# Altium PCB Bran_Main_Assay_PCB_v2.PcbDoc (part 13 of 15) (continued)
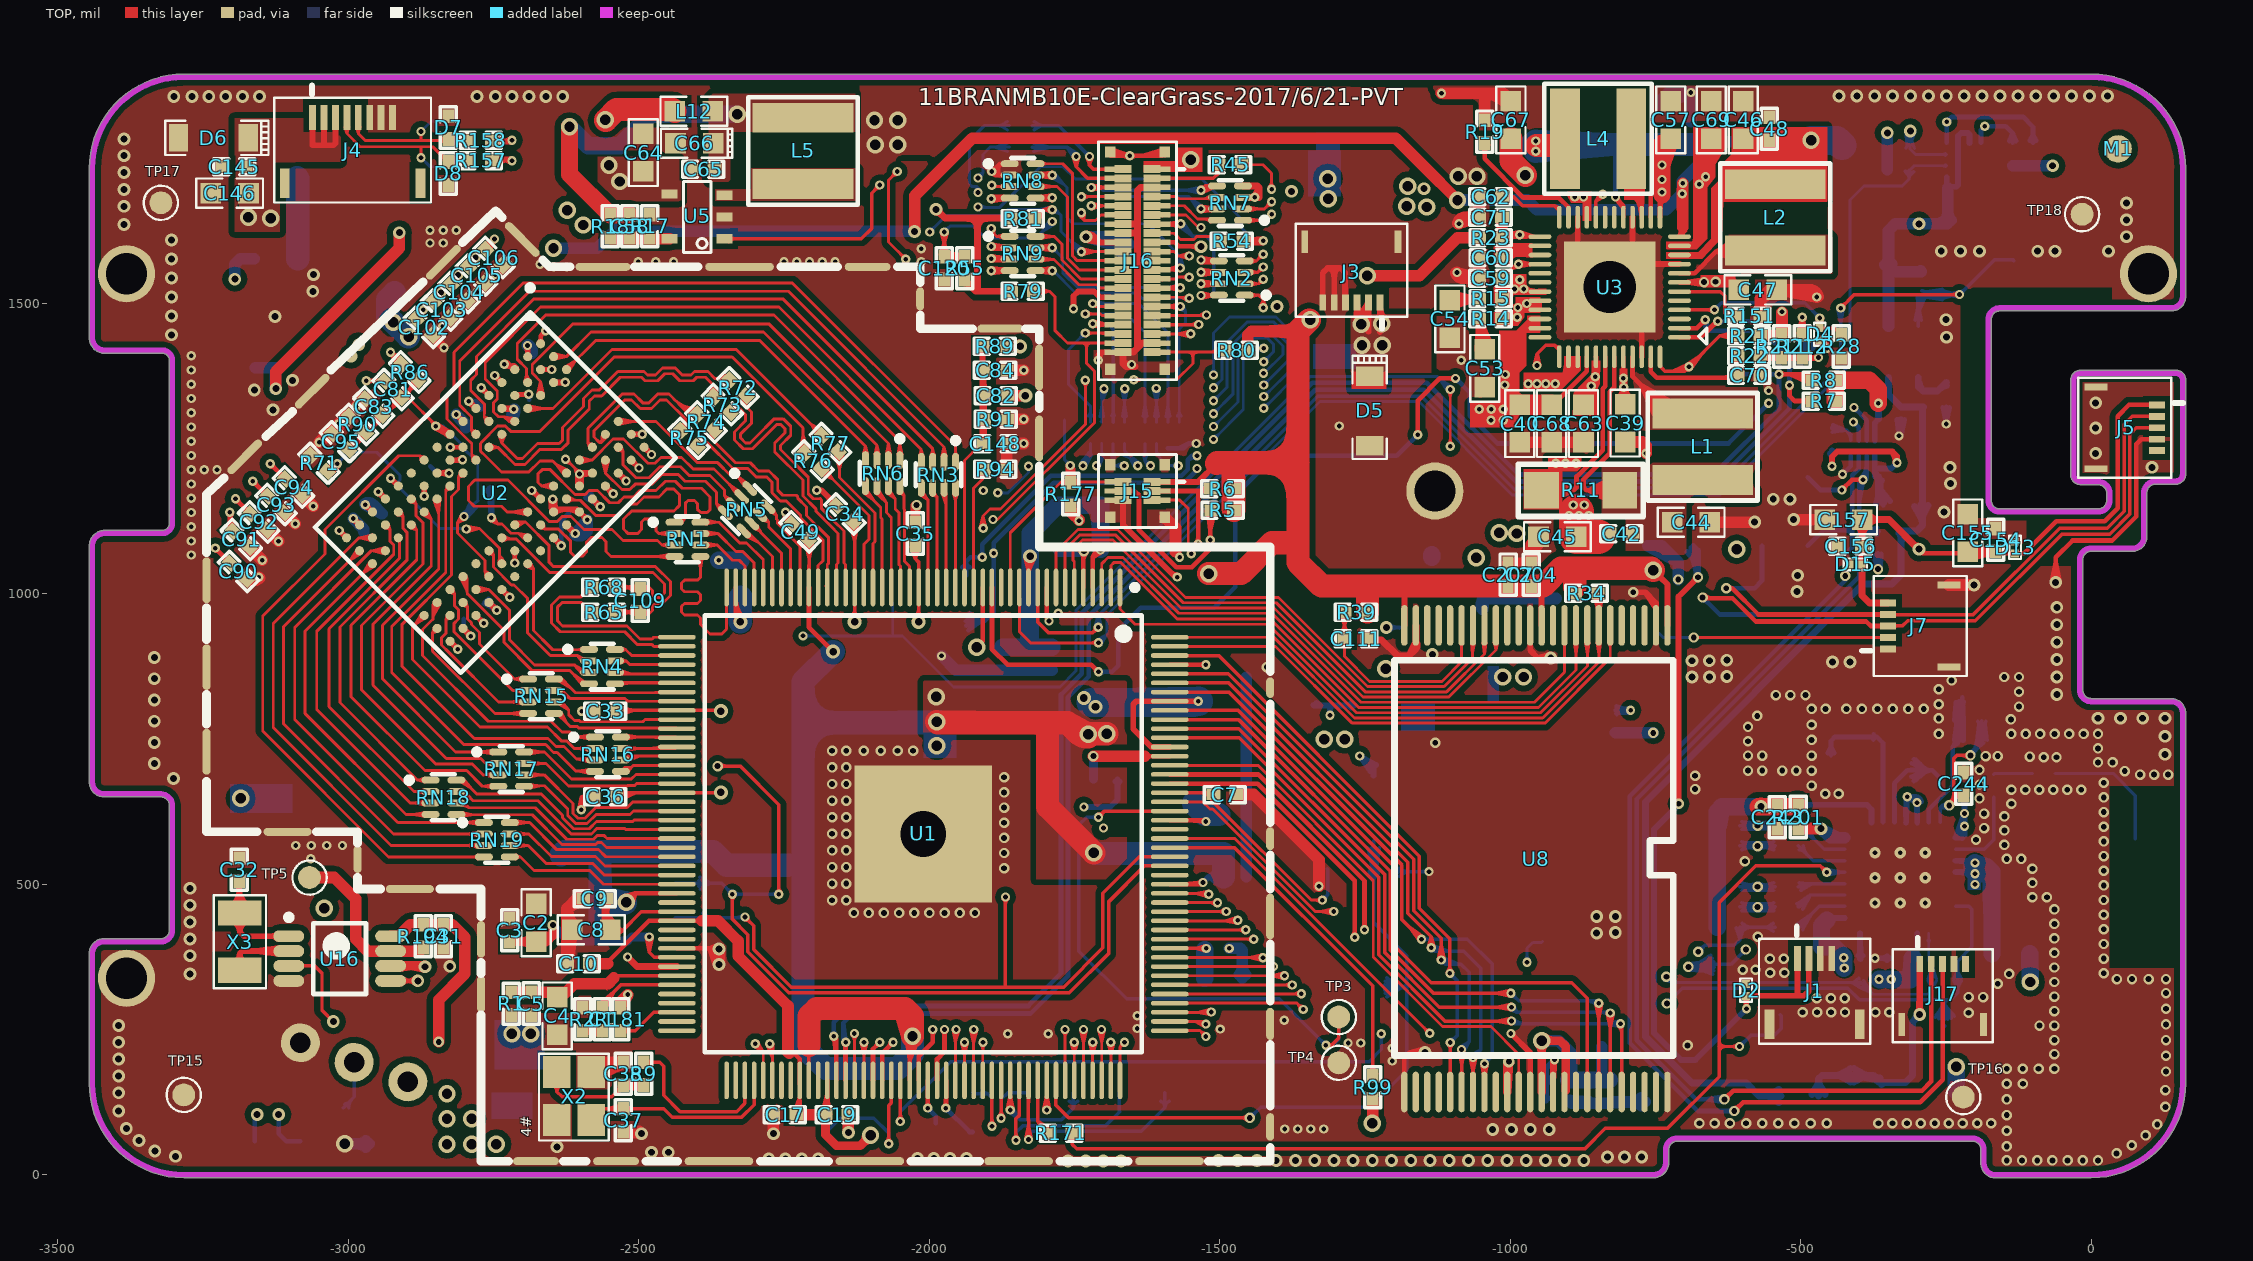
[diagram p0: TOP view]
## Nets (pads, with @x,y where several pads share a name; then routed paths per layer and width w, separated by ;. In a path a pad name is that pad's centre, name@x,y a point inside that pad or via, vN(x,y) a via of type N, cw(c..) or ccw(c..) an arc to the next point about the centre after c; other vN are vias at no path point) (continued)
  Singal w5: v1@-2721.84,1750.07 -2702.45,1761.74 ; v1(-2718.45,1745.74) -2702.45,1761.74 ; v1@-2718.45,1751.24 ccw(c-2718.45,1764.52) -2709.06,1755.13 ccw(c-2699.67,1745.74) v1@-2712.95,1745.74 ; v1@-2714.12,1742.35 -2702.45,1761.74 ; v1@-2304.85,227.6 -2299.19,235.67 ; v1@-2303.53,229.72 ccw(c-2312.92,239.11) -2299.65,239.11 ccw(c-2286.37,239.11) v1@-2295.76,229.72 ; v1@-2294.3,227.12 -2299.19,235.67 ; -2702.45,1761.74 -2523.45,1761.74 -2410.65,1648.94 -2410.65,952.83 -2299.65,841.83 v1(-2299.65,225.83) -2299.19,235.67
USB0-DP: R158.2 U1.94 | length 2572.3
  TOP w5: R158.2@-2752.76,1780.74 v1(-2718.45,1780.74) ; R158.2@-2749.71,1773.48 v1@-2725.95,1780.74 ; R158.2@-2749.71,1788 v1@-2725.95,1780.74 ; R158.2@-2749.07,1773.6 -2737.66,1780.14 ; R158.2@-2749.07,1787.88 -2737.66,1781.34 ; R158.2@-2748.42,1773.79 -2737.66,1781.34 ; R158.2@-2748.42,1787.69 -2737.66,1780.14 ; R158.2@-2745.6,1775.55 cw(c-2733.07,1763.01) -2733.07,1780.74 cw(c-2733.07,1798.47) R158.2@-2745.6,1785.93 ; v1@-2722.34,1776.85 ccw(c-2731.73,1767.46) -2731.73,1780.74 ccw(c-2731.73,1794.02) v1@-2722.34,1784.63 ; v1@-2720.23,1775.53 -2728.29,1781.19 ; v1@-2720.22,1785.95 -2728.29,1780.29 ; v1@-2720.18,1785.96 R158.2@-2742.14,1775.79 ; v1@-2719.74,1775.39 -2728.29,1780.29 ; v1@-2719.74,1786.09 -2728.29,1781.19 ; v1@-2717.94,1775.26 R158.2@-2742.14,1775.79 ; v1@-2279.92,224.28 -2270.27,201.18 ; v1@-2279.78,223.85 -2271.23,209.29 ; v1@-2278.53,221.94 cw(c-2298.49,201.98) -2270.27,201.98 ; v1@-2275,225.47 cw(c-2286.42,214.05) -2270.27,214.05 ; U1.94@-2270.27,162.71 -2270.27,221.45 v1(-2274.65,225.83) ; U1.94@-2270.27,191.26 -2270.27,210.19 ; v1@-2269.15,226.05 -2271.23,209.29 ; v1@-2269.16,226.19 -2270.27,201.18 ; R158.2@-2750.8,1780.74 v1@-2725.95,1780.74 ; R158.2@-2750.8,1780.74 -2737.66,1781.34 ; R158.2@-2750.8,1780.74 -2737.66,1780.14 ; R158.2@-2742.14,1775.79 v1(-2718.45,1780.74) ; -2728.29,1780.29 v1(-2718.45,1780.74) ; -2728.29,1781.19 v1(-2718.45,1780.74) ; v1(-2274.65,225.83) -2270.27,201.18 ; v1(-2274.65,225.83) -2271.23,209.29
  Singal w5: v1@-2718.45,1775.24 cw(c-2718.45,1761.96) -2709.06,1771.35 cw(c-2699.67,1780.74) v1@-2712.95,1780.74 ; v1(-2718.45,1780.74) -2708.45,1770.74 -2518.45,1770.74 -2401.65,1653.94 -2401.65,956.55 -2290.65,845.55 -2290.65,241.83 ; v1@-2280.15,225.83 ccw(c-2293.42,225.83) -2284.03,235.22 ccw(c-2274.65,244.61) v1@-2274.65,231.33 ; v1@-2278.98,222.44 -2290.65,241.83 ; v1@-2271.26,230.16 -2290.65,241.83 ; -2290.65,241.83 v1(-2274.65,225.83) -2290.65,241.83
USB0-IDET: R99.1 U1.153 | length 724.1
  TOP w6: U1.153@-1586.22,563.3 -1474.77,563.3 -1237.02,325.55 R99.1@-1237.02,170.52 ; U1.153@-1557.67,563.3 -1535.74,563.3 ; R99.1@-1243.67,174.09 -1237.58,184.73 ; R99.1@-1243.49,174.7 -1236.45,184.73 ; R99.1@-1241.85,177.33 ccw(c-1253.53,189.01) -1237.02,189.01 ccw(c-1220.5,189.01) R99.1@-1232.18,177.33 ; R99.1@-1230.54,174.7 -1237.58,184.73 ; R99.1@-1230.36,174.09 -1236.45,184.73 ; -1237.58,184.73 -1237.02,172.49 -1236.45,184.73
USBVBUS: C145.2 C146.2 D6.1 J4.1 J4.2 J4.3 R15.1 TP33.1 U3.31 | length 3395.3
  TOP w8: R15.1@-1012.36,1514.15 ccw(c-1012.36,1523.5) R15.1@-1005.75,1516.89 ; R15.1@-1007.8,1514.84 cw(c-992.94,1499.99) v1@-992.94,1520.99 ; R15.1@-1006.52,1508.31 cw(c-987.66,1508.31) -1001,1521.64 ; -1003.45,1518.18 v1(-992.94,1524.99) ; v1@-989.26,1523.43 cw(c-981.89,1520.3) v1@-981.89,1528.31 ; v1@-987.32,1527.36 v1(-976.94,1524.99) ; v1@-985.9,1527.23 v1(-976.94,1524.99) ; v1@-984.37,1526.01 v1(-992.94,1524.99) ; v1@-979.97,1522.38 ccw(c-992.94,1511.15) v1@-992.94,1528.31 ; v1@-974.12,1527.82 ccw(c-956.28,1545.66) U3.31@-956.28,1520.43 ; U3.31@-962.81,1521.29 v1(-976.94,1524.99) ; R15.1@-1012.36,1508.31 v1(-992.94,1524.99) ; R15.1@-1012.36,1508.31 v1(-992.94,1524.99) ; R15.1@-1012.36,1508.31 v1@-994.33,1528.31 ; R15.1@-1012.36,1508.31 v1@-998.38,1520.28 ; v1@-998.38,1520.28 -1007.91,1504.53 v1(-992.94,1524.99) ; v1@-998.38,1520.28 -1015.41,1513.29 v1(-992.94,1524.99) ; v1@-994.33,1528.31 v1@-992.94,1528.31 ; v1@-994.33,1528.31 -995.3,1527.34 R15.1@-1014.33,1508.31 v1(-992.94,1524.99) ; v1@-994.33,1528.31 v1(-976.94,1524.99) ; v1@-994.33,1528.31 -1007.62,1504.89 v1(-992.94,1524.99) ; v1@-994.33,1528.31 -1016.25,1512.67 v1(-992.94,1524.99) ; v1(-992.94,1524.99) v1(-976.94,1524.99) ; v1(-992.94,1524.99) v1@-981.89,1528.31 ; v1(-992.94,1524.99) v1(-976.94,1524.99) ; v1(-992.94,1524.99) v1(-976.94,1524.99) ; v1(-992.94,1524.99) v1@-981.89,1527.22 ; v1(-992.94,1524.99) v1@-975.1,1520.43 ; v1(-992.94,1524.99) v1@-981.89,1527.22 ; v1(-992.94,1524.99) v1@-981.89,1528.31 ; v1@-992.94,1528.31 v1@-981.89,1528.31 ; v1@-981.89,1527.22 -978.3,1523.63 v1@-975.1,1520.43 ; v1@-981.89,1527.22 v1@-981.89,1528.31 ; v1(-976.94,1524.99) -968.89,1523.81 U3.31@-964.84,1520.43 ; v1(-976.94,1524.99) U3.31@-964.84,1520.43 ; v1(-976.94,1524.99) U3.31@-964.84,1520.43 ; v1(-976.94,1524.99) U3.31@-949.09,1520.43 v1@-975.1,1520.43 ; v1@-975.1,1520.43 U3.31@-964.84,1520.43
  TOP w10: J4.1@-3061.73,1804.33 -3061.73,1772.46 ; J4.1@-3061.73,1820.08 -3061.73,1772.46 ; J4.2@-3042.05,1804.33 -3042.05,1774.14 J4.2@-3042.05,1820.08 ; J4.3@-3022.36,1804.33 -3022.36,1775.83 ; J4.3@-3022.36,1820.08 -3022.36,1775.83 ; -3061.73,1772.46 -3025.73,1772.46 -3022.36,1775.83
  Singal w60: v4@-3163.45,1651.74 -3133.45,1651.74 -3100.46,1651.74 -3048.46,1703.74 -2650.2,1703.74 ; v4(-2623.08,1660.56) -2650.2,1703.74 ; v4@-2591.46,1645 -2615.06,1668.59 -2650.2,1703.74
  POWER w60: -2393.3,1623.74 v4(-2595.46,1635) -2620.46,1659 -2595.96,1634.5 -2585.2,1623.74 -2090.72,1623.74 -1918.46,1796 -1361.47,1796 -1313.46,1747.99 -1313.46,1715 v4(-1313.46,1680)
  other v1: -983.94,1540.99
  other v4: -3133.45,1646.83 -3172.02,1648.31 -1313.98,1715
VCC-5V: C158.2 C159.1 C226.1 C228.1 D14.1 J6.1 R189.2 TP34.1 U15.5 | length 1744.1
  POWER w40: v4(-2718.46,243) -2717.46,242 v4@-2686.46,242 ; v4(-2686.46,243) -2660.96,268.5 -2387.96,268.5 -2246.46,410 -1831.29,410 -1766.02,475.28 -1766.02,646.56 -1724.75,687.83 -1644.46,687.83 -1584.3,747.99 -1320.3,747.99 -1285.3,747.99 v4@-1284.3,747.99
  other v4: -1320.3,749.99 -1285.3,749.99
VCC-WIFI-3V3: C174.1 C175.1 C176.1 C243.2 C246.1 C247.1 C250.1 R176.2 R179.1 R200.1 R201.1 R204.2 R205.2 R206.2 R207.2 R208.2 U7.1 U7.3 U7.4 U7.11 U7.17 U7.29 U7.30 | length 4680.7
  TOP w30: v3@-572.94,633.99 -568.5,633.99 -540.54,633.99 R201.1@-506.16,633.99 ; v3(-568.5,634.27) R201.1@-506.16,633.99 ; R201.1@-505.78,637 R201.1@-504.46,635.68 R201.1@-506.16,633.99
  BOTTOM w10: -455.46,438 -451.06,442.41 ; U7.17@-435.32,442.41 -451.06,442.41 ; U7.17@-424.49,442.41 -451.06,442.41 ; U7.29@-319.17,606.78 -318.45,607.5 v1@-318.45,650.74 ; U7.29@-318.45,612.74 v1(-317.02,650.83) ; -318.45,640.12 cw(c-306.31,640.12) v1@-314.89,648.71 ; v1@-316.15,647.96 cw(c-311.3,631.97) v1@-299.49,643.78 ; C246.1@-313.15,371.37 -314.78,373 -310.7,377.08 -299.49,388.29 ; -307.5,648.24 v1(-317.02,650.83) ; C246.1@-304.65,372.99 -299.49,388.29 ; -303.85,650.74 cw(c-303.85,639.76) v1@-293.27,642.7 ; v1@-303,641.12 ccw(c-314.91,642.28) -306.45,650.74 ; v1@-302.91,640.02 ccw(c-317.02,636.09) v1@-317.02,650.74 ; v1@-302.14,638.71 cw(c-308.53,632.31) -299.49,632.31 ; C246.1@-300.65,375.73 cw(c-292.51,381.31) -299.49,388.29 ; U7.11@-299.49,405.01 -299.49,388.29 ; U7.11@-299.49,415.83 -299.49,388.29 ; U7.1@-222.66,580.15 ccw(c-232.79,590.28) -218.46,590.28 ; C175.1@-221.89,648.92 cw(c-230.16,640.66) -218.46,640.66 cw(c-206.77,640.66) C175.1@-215.04,648.92 ; -218.95,586.57 U7.1@-222.72,580.2 ; -216.82,540.83 cw(c-216.82,520.47) v1@-202.42,534.87 ; -213.96,521.15 cw(c-213.96,504.83) v1@-202.42,516.37 ; -211.55,540.14 v1(-200.3,536.99) ; -209.73,520.59 v1(-200.3,518.49) ; v1@-203.17,536.13 cw(c-214.51,532.7) -206.14,524.33 ; v1@-203.07,529.64 v1(-200.3,518.49) ; v1@-203,517.19 ccw(c-209.31,514.14) -209.31,521.15 ; v1@-202.99,535.67 ccw(c-211.3,531.57) -211.3,540.83 ; v1@-202.75,520.22 ccw(c-211.14,526.15) v1@-203.88,533.41 ; v1@-201.8,539.59 cw(c-205.74,546.39) -211.3,540.83 ; -201.22,528.81 v1(-200.3,536.99) ; -195.48,525.02 cw(c-201.3,519.2) v1@-194.58,514.45 ; v1@-318.45,650.74 v1@-317.02,650.74 ; v1@-318.45,650.74 v1(-300.02,640.83) ; v1@-318.45,650.74 -319.17,617.61 v1(-317.02,650.83) ; v1@-317.02,650.74 -306.45,650.74 ; v1(-317.02,650.83) v1(-300.02,640.83) ; v1(-317.02,650.83) v1(-300.02,640.83) ; v1(-317.02,650.83) v1(-300.02,640.83) ; v1(-317.02,650.83) v1(-300.02,640.83) ; v1(-317.02,650.83) -306.45,650.74 ; v1(-317.02,650.83) -306.45,650.74 ; v1(-317.02,650.83) v1@-299.49,643.78 ; -306.45,650.74 v1(-300.02,640.83) ; -306.45,650.74 v1(-300.02,640.83) ; -306.45,650.74 v1(-300.02,640.83) ; -306.45,650.74 v1(-300.02,640.83) ; -306.45,650.74 v1@-299.49,643.78 ; v1(-300.02,640.83) -299.49,617.61 v1@-299.49,643.78 ; v1(-300.02,640.83) U7.30@-299.49,606.78 -299.49,640.83 v1@-299.49,643.78 ; U7.1@-233.54,580.2 v1(-218.3,599.99) ; U7.1@-233.54,580.2 v1@-218.46,621.99 ; U7.1@-233.54,580.2 -223.26,580.2 -218.3,585.17 ; U7.1@-222.72,580.2 -218.46,585.33 ; U7.1@-222.72,580.2 -218.3,585.17 ; U7.1@-222.72,580.2 -218.46,585.33 ; U7.1@-222.72,580.2 -218.3,585.17 ; -218.46,585.33 -218.46,599.99 v1@-218.46,621.99 ; -218.46,585.33 v1(-218.3,599.99) ; -218.46,585.33 v1(-218.3,599.99) ; -218.46,585.33 v1(-218.3,621.99) ; -218.46,585.33 -218.3,585.17 ; v1@-218.46,621.99 C175.1@-218.46,654.32 v1(-218.3,621.99) ; v1@-218.46,621.99 v1(-218.3,599.99) ; v1@-218.46,621.99 v1(-218.3,599.99) ; v1@-218.46,621.99 -218.46,652.35 v1(-218.3,621.99) ; v1(-218.3,599.99) -231.52,585.81 v1(-218.3,621.99) ; v1(-218.3,599.99) v1(-218.3,621.99) ; v1(-218.3,599.99) v1(-218.3,621.99) ; -211.3,540.83 v1@-203.88,533.41 ; -211.3,540.83 v1(-200.3,536.99) ; -211.3,540.83 v1(-200.3,536.99) ; -211.3,540.83 v1(-200.3,536.99) ; -211.3,540.83 v1(-200.3,536.99) ; -211.3,540.83 v1(-200.3,518.49) ; -211.3,540.83 -222.72,540.83 v1(-200.3,536.99) ; -211.3,540.83 U7.3@-233.54,540.83 v1(-200.3,536.99) ; -209.31,521.15 -206.14,524.33 ; -209.31,521.15 v1(-200.3,536.99) ; -209.31,521.15 v1(-200.3,518.49) ; -209.31,521.15 v1(-200.3,518.49) ; -209.31,521.15 v1(-200.3,518.49) ; -209.31,521.15 -222.72,521.15 v1(-200.3,518.49) ; -209.31,521.15 U7.4@-233.54,521.15 v1(-200.3,518.49) ; -206.14,524.33 v1@-200.46,530 ; v1@-203.88,533.41 v1@-200.46,530 ; v1@-200.46,530 v1(-200.3,518.49) ; v1@-200.46,530 v1(-200.3,518.49) ; v1(-200.3,518.49) v1(-200.3,536.99) ; v1(-200.3,518.49) v1(-200.3,536.99) ; v1(-200.3,518.49) v1(-200.3,536.99) ; v1(-200.3,518.49) v1(-200.3,536.99)
  BOTTOM w30: R207.2@-644.16,466.47 R206.2@-644.16,566.31 ; R206.2@-644.16,561.16 R207.2@-644.16,461.31 ; R205.2@-642.19,601.31 -635.91,633.56 ; R204.2@-538.59,636.17 -541.2,633.56 -568.5,633.56 -635.91,633.56 ; C250.1@-464.46,394.65 -464.46,429 ; C250.1@-464.46,395.87 cw(c-464.46,352.47) -433.78,383.16 ; -455.46,438 -464.46,429 ; v1@-426.31,355.99 v1(-426.3,373.99) -426.31,375.69 -443.3,392.68 ; C246.1@-308.58,372.99 -311.18,336 C246.1@-306.61,372.99 ; v1@-204.69,531.54 ccw(c-197.9,539.97) -196.74,529.21 ; v1@-201.06,525.73 ccw(c-208.54,539.41) v1@-193.58,535.02 ; -197.78,528.13 v1(-200.3,536.99) ; v1@-195.23,531.3 v1(-200.3,518.49) ; -195.21,529.24 v1(-200.3,518.49) ; R207.2@-644.16,461.31 R179.1@-644.15,496.31 ; R207.2@-644.16,461.31 R208.2@-644.16,426.31 R207.2@-644.16,461.31 ; R207.2@-644.16,461.31 R179.1@-644.15,496.31 ; R179.1@-644.15,496.31 R206.2@-644.16,566.31 ; R179.1@-644.15,496.31 R206.2@-644.16,566.31 ; R206.2@-644.16,566.31 R205.2@-644.16,601.31 ; R206.2@-644.16,566.31 R205.2@-644.16,601.31 ; R205.2@-644.16,601.31 -644.16,625.31 ; R205.2@-644.16,601.31 -644.16,625.31 ; -644.16,625.31 -635.91,633.56 ; C250.1@-464.46,392.68 -443.3,392.68 ; C250.1@-464.46,392.68 -464.46,429 ; C250.1@-464.46,392.68 -443.3,392.68 ; v1(-365.46,337) v1(-344.46,337) ; v1(-365.46,337) v1(-344.46,337) ; v1(-365.46,337) R200.1@-315.12,336 ; v1(-365.46,337) R200.1@-313.15,336 ; v1@-364.46,336 -344.46,336 R200.1@-313.15,336 ; v1@-364.46,336 v1(-344.46,337) ; v1@-364.46,336 v1(-344.46,337) ; v1@-364.46,336 R200.1@-315.12,336 ; v1(-344.46,337) R200.1@-315.12,336 ; v1(-344.46,337) R200.1@-313.15,336 ; v1(-344.46,337) R200.1@-315.12,336 ; v1(-344.46,337) R200.1@-313.15,336 ; R200.1@-313.15,336 R200.1@-306.61,342.54 ; R200.1@-306.61,342.54 C246.1@-306.61,372.99 ; R200.1@-306.61,342.54 C246.1@-306.61,372.99 ; v1@-200.46,530 -200.3,530 -179.46,530 ; v1@-200.46,530 v1(-200.3,518.49) ; v1@-200.46,530 v1(-200.3,518.49) ; v1@-200.46,530 C176.1@-174.12,517 ; v1(-200.3,518.49) v1(-200.3,536.99) ; v1(-200.3,518.49) v1(-200.3,536.99) ; v1(-200.3,518.49) v1(-200.3,536.99) ; v1(-200.3,518.49) v1(-200.3,536.99) ; v1(-200.3,518.49) v1(-200.3,536.99) ; v1(-200.3,518.49) v1(-200.3,536.99) ; v1(-200.3,518.49) C176.1@-174.12,517 ; v1(-200.3,518.49) -179.46,530 ; v1(-200.3,536.99) -179.46,530 ; v1(-200.3,536.99) C176.1@-174.12,517 ; v1(-200.3,536.99) -179.46,530 ; v1(-200.3,536.99) C176.1@-174.12,517 ; v1(-200.3,536.99) -179.46,530 ; v1(-200.3,536.99) C176.1@-174.12,517 ; v1(-200.3,536.99) -179.46,530 ; v1(-200.3,536.99) -205.25,523.44 cw(c-189.42,507.61) -189.42,530 v1(-200.3,536.99) ; v1(-200.3,536.99) -179.46,530 ; v1(-200.3,536.99) C176.1@-170.96,521.5 ; v1(-200.3,536.99) C176.1@-174.12,517 ; -179.46,530 C176.1@-174.12,517 ; -179.46,530 C176.1@-174.12,517 ; -179.46,530 C176.1@-170.96,521.5 ; C247.1@-172.15,482 C176.1@-172.15,517 ; C247.1@-172.15,482 C174.1@-170.96,437 ; C247.1@-172.15,482 C176.1@-172.15,517 ; C247.1@-172.15,482 C174.1@-170.96,437 ; C247.1@-172.15,482 C174.1@-170.96,437 ; C247.1@-172.15,482 C176.1@-170.96,521.5 ; C176.1@-172.15,517 C174.1@-170.96,437 ; C176.1@-172.15,517 C174.1@-170.96,437 ; C174.1@-170.96,437 -170.96,482 -170.96,517 C176.1@-170.96,521.5 ; C174.1@-170.96,437 R176.2@-170.96,381 C174.1@-170.96,437
  other v1: -425.3,355.99 -200.3,499.99
VCCA: C242.1 R195.1 R209.2 U20.1 | length 788.4
  TOP w10: v1(-446.46,1220) -446.46,1236 -437.46,1245 -342.46,1245 ; -337.57,1236.71 v1(-334.46,1226) ; v1@-337.38,1226.72 ccw(c-356.11,1231.35) -342.46,1245 ; -342.46,1245 v1(-334.46,1226) ; -342.46,1245 -334.46,1237 ; v1(-334.46,1226) -334.46,1237 ; v1(-334.46,1226) -334.46,1237
  BOTTOM w10: R209.2@-449.89,1241.92 cw(c-458.16,1233.66) -446.46,1233.66 cw(c-434.77,1233.66) R209.2@-443.04,1241.92 ; U20.1@-372.8,1231.32 -372.8,1216 ; U20.1@-372.8,1237.81 -372.8,1216 ; -371.11,1208.64 -368.12,1198 -372.8,1216 ; R195.1@-370.68,1154.35 -363.59,1180.87 ; -366.96,1177.3 ccw(c-340.66,1177.3) R195.1@-356.34,1156.18 ; -366.96,1184.34 cw(c-352.49,1184.34) C242.1@-362.73,1194.58 ; -366.47,1188.09 C242.1@-366.15,1198 R195.1@-366.96,1163 ; C242.1@-365.39,1202 cw(c-355.86,1216) -372.8,1216 ; -363.23,1187.33 -364.18,1198 -361.46,1176.65 ; -362.76,1181.5 cw(c-347.11,1185.69) C242.1@-360.25,1195.17 ; R195.1@-350.38,1164.21 cw(c-325.89,1197.18) C242.1@-366.96,1197.18 ; R195.1@-346.46,1159.42 -363.59,1180.87 ; v1(-446.46,1220) -446.46,1245.35 v1(-446.46,1220) ; v1(-446.46,1220) R209.2@-446.46,1247.31 v1(-446.46,1220) ; -372.8,1216 -344.46,1216 ; -372.8,1216 -372.8,1203.02 C242.1@-366.96,1197.18 ; R195.1@-366.96,1163 C242.1@-366.96,1197.18 ; R195.1@-366.96,1163 R195.1@-357.96,1154 -363.59,1180.87 ; -344.46,1216 v1(-334.46,1226) -344.46,1216
VINT: C60.1 U3.26 U3.27 | length 309.1
  TOP w6: C60.1@-1014.33,1578.31 -1009.21,1583.43 -989.02,1583.43 ; C60.1@-1012.86,1585.13 -989.02,1583.43 ; C60.1@-1012.25,1585.15 -998.02,1581.49 ; C60.1@-1011.68,1577.81 cw(c-1000.73,1569.93) -1000.73,1583.43 ; C60.1@-1009.96,1571.9 -989.02,1583.43 ; C60.1@-1009.36,1572.16 -998.02,1581.49 ; C60.1@-1006.81,1574.31 cw(c-989.02,1561.5) -989.02,1583.43 ; -986.78,1583.43 U3.27@-964.84,1583.43 ; U3.26@-964.84,1599.17 -983.15,1599.17 ; U3.27@-949.09,1583.43 -989.02,1583.43 ; U3.26@-949.09,1599.17 -983.15,1599.17 ; -998.02,1581.49 -1012.36,1578.31 -989.02,1583.43 ; -989.02,1583.43 -989.02,1593.31 -983.15,1599.17
VLED+: C116.2 D12.1 J16.18 TP25.1 | length 2159.9
  TOP w10: v3@-1732.07,1618.4 cw(c-1726.27,1605.3) -1716.14,1615.43 ; v3@-1731.98,1608.94 -1705.83,1605.12 ; v3@-1730.87,1608.75 -1717.81,1610.85 ; v3@-1728.02,1609.25 cw(c-1719.94,1591.01) -1705.83,1605.12 ; v3@-1727.64,1620.04 -1705.83,1605.12 ; v3@-1727.43,1619.92 -1717.81,1610.85 ; v3@-1726.21,1610.5 cw(c-1715.96,1600.25) -1715.96,1614.74 cw(c-1715.96,1629.23) v3@-1726.21,1618.98 ; J16.18@-1694.09,1605.12 -1705.83,1605.12 ; J16.18@-1666.73,1605.12 J16.18@-1689.96,1605.12 -1705.83,1605.12 ; v3(-1730.45,1614.74) -1717.81,1610.85 ; v3(-1730.45,1614.74) -1715.45,1614.74 ; v3(-1730.45,1614.74) -1705.83,1605.12 ; v3(-1730.45,1614.74) -1715.45,1614.74 ; -1715.45,1614.74 -1729.25,1608.86 -1715.45,1614.74 ; -1715.45,1614.74 -1729.25,1620.62 -1715.45,1614.74 ; -1715.45,1614.74 -1705.83,1605.12
  Singal w20: -1400.45,1423.7 v3(-1401.45,1494.74) -1400.45,1493.74 -1400.45,1422.07 -1355.95,1377.57 -1355.95,971 -1255.95,871 ; -1255.95,871 v4(-1214.46,871) -1255.95,871
  POWER w20: v3(-1730.45,1614.74) -1708.45,1614.74 -1679.45,1585.74 -1679.45,1465.74 -1634.45,1420.74 -1537.45,1420.74 -1513.45,1444.74 -1420.45,1444.74 -1401.45,1463.74 ; -1401.45,1463.74 v3(-1401.45,1494.74) -1401.45,1463.74
  BOTTOM w20: -1706.1,1611.01 TP25.1@-1663.46,1595 ; -1689.81,1603.85 v3(-1730.45,1614.74) ; -1684.92,1614.74 cw(c-1684.92,1575.29) TP25.1@-1655.87,1601.98 ; TP25.1@-1673.15,1595 ccw(c-1696.53,1595) -1680,1611.53 ccw(c-1663.46,1628.07) TP25.1@-1663.46,1604.69 ; TP25.1@-1670.6,1588.45 ccw(c-1730.44,1533.48) v3(-1730.45,1614.74) ; v3(-1730.45,1614.74) TP25.1@-1663.46,1595 ; v3(-1730.45,1614.74) -1683.2,1614.74 ; -1683.2,1614.74 TP25.1@-1663.46,1595 ; -1683.2,1614.74 TP25.1@-1663.46,1595 ; -1683.2,1614.74 TP25.1@-1663.46,1595
VLED-: J16.17 R50.2 TP27.1 U9.1 | length 1688.9
  TOP w8: J16.17@-1589.37,1605.12 -1577.55,1605.12 ; -1550.56,1598.24 cw(c-1550.56,1579.63) v3@-1537.4,1592.79 ; -1548.14,1598.24 ccw(c-1548.14,1613.43) v3@-1537.4,1602.69 ; v3(-1532.45,1597.74) -1532.95,1598.24 -1570.67,1598.24 -1577.55,1605.12 ; J16.17@-1593.5,1605.12 -1609.25,1605.12 -1597.64,1605.12 J16.17@-1616.73,1605.12 J16.17@-1593.5,1605.12 ; J16.17@-1593.5,1605.12 -1577.55,1605.12
  Singal w20: -1376.45,1622 v3(-1376.46,1693) ; v3(-1376.46,1693) -1376.45,1432.02 -1255.43,1311 -1103.46,1311 -1058.46,1266 v4(-1058.46,1062) v4@-1058.46,1060
  POWER w20: v3(-1532.45,1597.74) -1506.45,1623.74 -1506.45,1680.02 -1463.72,1722.74 -1400.69,1722.74 ; -1382.07,1704.12 cw(c-1393.19,1693) v3@-1377.46,1693 ; -1400.69,1722.74 v3(-1376.46,1693) -1376.46,1698.51 -1400.69,1722.74
  BOTTOM w20: R50.2@-1047.6,972.57 cw(c-1034.14,980.92) -1045.34,992.13 ; -1000.94,992.13 TP27.1@-921.26,992.13 -1045.34,992.13 ; R50.2@-1047.46,972.65 -1045.34,992.13 ; R50.2@-1047.46,972.65 -1048.46,989 -1045.34,992.13 ; R50.2@-1047.46,972.65 -1045.34,992.13
VOC_1V8: C236.1 R195.2 R196.1 R197.1 R198.2 TP46.1 U19.5 | length 2204.2
  BOTTOM w12: R198.2@-542.73,127.71 ccw(c-562.73,107.71) -562.73,135.99 ccw(c-562.73,164.28) R198.2@-542.73,144.28 ; R198.2@-538.23,124.9 -555.41,136.96 ; R198.2@-538.23,147.08 -555.41,135.03 ; R198.2@-537.2,124.6 -555.41,135.03 ; R198.2@-537.2,147.38 -555.41,136.96 ; U19.5@-349.06,1362.48 -349.06,1343.59 ; U19.5@-349.06,1372.32 -349.06,1343.59 ; R196.1@-331.47,1105.28 cw(c-340.36,1096.39) -327.78,1096.39 ; R196.1@-327.78,1107 R197.1@-327.78,1070 ; R196.1@-324.81,1108 -300.46,1108 ; R195.2@-304.23,1150.77 -292.16,1129.97 ; R195.2@-303.35,1148.58 -290.23,1136.1 ; R195.2@-301.25,1145.72 cw(c-326.08,1120.89) -290.96,1120.89 ; C236.1@-291.12,1322 -327.46,1322 ; -290.96,1130.54 cw(c-269.51,1130.54) R195.2@-284.68,1145.72 ; R195.2@-281.51,1151.53 -292.16,1129.97 ; R195.2@-281.43,1151.93 -290.23,1136.1 ; -555.41,135.03 R198.2@-534.44,135.99 ; -555.41,136.96 R198.2@-534.44,135.99 ; R198.2@-534.44,135.99 -571.94,135.99 -593.95,158 -687.68,158 -767.46,237.79 -767.46,642.2 -392.67,1017 -343.46,1017 -327.78,1032.68 ; -349.06,1343.59 -327.46,1322 ; -327.78,1032.68 R197.1@-327.78,1070 ; -327.78,1032.68 R197.1@-327.78,1070 ; R197.1@-327.78,1070 R196.1@-326.78,1108 -300.46,1108 ; -327.46,1322 C236.1@-289.15,1322 -291.31,1319.84 -290.96,1319.5 -290.96,1267.72 -290.96,1154 -290.96,1117.5 -300.46,1108 ; -292.16,1129.97 R195.2@-292.96,1154 -290.23,1136.1
VOC_SCL: J17.2 R196.2 TP47.1 U20.2 | length 2687
  TOP w8: v2(-631.46,130) -616.46,145 -291.46,145 -275.59,160.87 J17.2@-275.59,363.19 ; v2@-631.46,135 ccw(c-631.46,147.07) -622.93,138.54 ccw(c-614.39,130) v2@-626.46,130 ; v1(-429.3,1178.99) -411.85,1196.44 ; v1@-429.3,1182.99 ccw(c-429.3,1192.65) -422.47,1185.82 ccw(c-415.64,1178.99) v1@-425.3,1178.99 ; v1@-395.85,1193.62 ccw(c-402.68,1186.79) -402.68,1196.44 ccw(c-402.68,1206.1) v1@-395.85,1199.27 ; -275.59,325.41 J17.2@-275.59,355.32 ; -411.85,1196.44 v1(-393.02,1196.44) -411.85,1196.44
  BOTTOM w8: v2@-635,126.46 ccw(c-643.54,117.93) -643.54,130 ccw(c-643.54,142.07) v2@-635,133.54 ; v2@-631.84,125.01 -664.46,130 ; v2@-631.84,134.99 -664.46,130 ; TP47.1@-488.19,1200.79 -466.39,1178.99 v1(-429.3,1178.99) -461.3,1178.99 ; v1@-432.13,1176.16 ccw(c-438.96,1169.34) -438.96,1178.99 ccw(c-438.96,1188.65) v1@-432.13,1181.82 ; -399.46,1159.67 v1(-393.02,1196.44) ; -399.46,1171.23 cw(c-367.8,1171.23) -390.19,1193.62 ccw(c-398.92,1202.35) -386.57,1202.35 ; -399.46,1190.54 cw(c-387.12,1190.54) -395.85,1199.27 ccw(c-418.24,1221.66) -386.57,1221.66 ; -398.39,1179.42 v1(-393.02,1196.44) ; -387.65,1213.47 v1(-393.02,1196.44) ; -386.57,1203.38 U20.2@-386.57,1231.32 ; U20.2@-386.57,1237.81 -386.57,1202.89 v1(-393.02,1196.44) ; R196.2@-372.25,1103.87 ccw(c-382.22,1093.9) -382.22,1108 ccw(c-382.22,1122.11) R196.2@-372.25,1112.13 ; R196.2@-370.01,1102.47 -378.57,1108.48 ; R196.2@-370.01,1113.53 -378.57,1107.52 ; R196.2@-369.49,1102.32 -378.57,1107.52 ; R196.2@-369.49,1113.68 -378.57,1108.48 ; R196.2@-368.68,1102.18 -398.46,1108 ; R196.2@-368.68,1113.82 -398.46,1108 ; R196.2@-366.15,1108 -398.46,1108 ; -664.46,130 v2(-631.46,130) -680.46,130 -782.46,232 -782.46,647 -399.46,1030 -399.46,1190 v1(-393.02,1196.44) ; -398.46,1108 R196.2@-368.12,1108 ; -378.57,1107.52 R196.2@-368.12,1108 ; -378.57,1108.48 R196.2@-368.12,1108
VOC_SDA: J17.3 R197.2 TP48.1 U20.3 | length 2733
  TOP w8: v2(-614.46,110) -599.46,125 -294.49,125 -255.91,163.59 J17.3@-255.91,363.19 ; v2@-614.46,115 ccw(c-614.46,127.07) -605.93,118.54 ccw(c-597.39,110) v2@-609.46,110 ; -255.91,325.41 J17.3@-255.91,355.32
  Singal w8: v2(-423.46,1031) -378.83,1031 v2(-367.15,1042.69) ; v2@-419.93,1027.46 cw(c-411.39,1018.93) -411.39,1031 cw(c-411.39,1043.07) v2@-419.93,1034.54 ; v2@-372.15,1042.69 cw(c-384.22,1042.69) -375.69,1034.15 cw(c-367.15,1025.61) v2@-367.15,1037.69
  BOTTOM w8: v2@-618,106.46 ccw(c-626.54,97.93) -626.54,110 ccw(c-626.54,122.07) v2@-618,113.54 ; v2@-615.46,110 -677.44,110 -794.46,227.03 -794.46,651.97 -423.96,1022.47 -423.96,1031 -423.96,1032.5 v2@-423.46,1033 ; TP48.1@-488.19,1082.68 -460.87,1110 -411.46,1110 ; v2@-427,1034.54 ccw(c-435.54,1043.07) -423.46,1043.07 ccw(c-411.39,1043.07) v2@-419.93,1034.54 ; v2(-423.46,1031) v2@-423.46,1033 ; U20.3@-400.35,1231.32 -400.35,1215.11 ; U20.3@-400.35,1237.81 -400.35,1215.11 ; R197.2@-372.83,1068.63 -367.63,1059.55 ; R197.2@-372.68,1068.11 -366.67,1059.55 ; v2@-372.11,1042.07 R197.2@-372.96,1069.38 ; v2@-371.92,1044.19 R197.2@-361.34,1069.38 ; R197.2@-371.28,1065.87 cw(c-381.25,1055.9) -367.15,1055.9 cw(c-353.04,1055.9) R197.2@-363.02,1065.87 ; v2@-370.69,1046.22 ccw(c-379.22,1054.76) -367.15,1054.76 ccw(c-355.08,1054.76) v2@-363.61,1046.22 ; v2@-362.38,1044.19 R197.2@-372.96,1069.38 ; v2@-362.19,1042.07 R197.2@-361.34,1069.38 ; R197.2@-361.62,1068.11 -367.63,1059.55 ; R197.2@-361.47,1068.63 -366.67,1059.55 ; v2@-423.46,1033 -423.46,1068 -411.46,1080 -411.46,1110 ; -411.46,1110 -411.46,1204 -400.35,1215.11 ; R197.2@-372.96,1069.38 v2(-367.15,1042.69) ; R197.2@-372.96,1069.38 v2(-367.15,1042.69) ; -367.63,1059.55 R197.2@-367.15,1070 ; v2(-367.15,1042.69) R197.2@-367.15,1070 ; v2(-367.15,1042.69) R197.2@-361.34,1069.38 ; v2(-367.15,1042.69) R197.2@-367.15,1070 ; R197.2@-367.15,1070 -362.17,1043.14 R197.2@-367.15,1070 ; R197.2@-367.15,1070 -372.13,1043.14 R197.2@-367.15,1070 ; R197.2@-367.15,1070 -366.67,1059.55
VPS: R32.2 R35.1 U8.38 | length 318.5
  TOP w10: U8.38@-926.5,142.68 v1@-926.5,195.83 ; U8.38@-926.5,159.91 v1(-924.02,198.31) ; -926.5,185.08 cw(c-910.79,185.08) v1@-921.89,196.19 ; -925.96,189.14 v1(-924.02,198.31) ; v1@-926.5,195.83 -926.5,172.26 v1(-924.02,198.31) ; v1@-926.5,195.83 v1(-924.02,198.31)
  BOTTOM w10: R35.1@-942.12,131.73 ccw(c-950.39,140) -938.7,140 ccw(c-927.01,140) R35.1@-935.28,131.73 ; R32.2@-942.13,159.88 cw(c-950.39,151.62) -938.7,151.62 cw(c-927.01,151.62) R32.2@-935.28,159.88 ; R32.2@-942.13,166.73 ccw(c-950.39,175) -938.7,175 ccw(c-927.01,175) R32.2@-935.28,166.73 ; R35.1@-938.7,128.31 R32.2@-938.7,163.31 -938.7,183.62 ; -938.7,183.62 v1(-924.02,198.31) -938.7,183.62
VRA1: C1.2 U1.83 | length 358.5
  TOP w6: C1.2@-2568.15,294.47 -2542.98,314.95 ; C1.2@-2567.89,294.72 -2552.63,303.92 ; C1.2@-2565.65,285.51 -2565.65,287.68 -2565.65,292.29 -2530.85,327.08 U1.83@-2434.64,327.08 ; C1.2@-2562.46,289.65 cw(c-2548.39,289.65) -2558.34,299.6 ; C1.2@-2557.54,285.95 -2542.98,314.95 ; C1.2@-2557.13,286.68 -2552.63,303.92 ; C1.2@-2556.46,289.65 cw(c-2527.9,289.65) -2548.09,309.84 ; -2485.12,327.08 U1.83@-2463.18,327.08 ; -2552.63,303.92 -2563.3,289.65 -2542.98,314.95
VRA2: C4.2 C5.2 R1.2 U1.82 | length 416.8
  TOP w6: -2542.96,339.01 -2539.14,342.83 U1.82@-2434.64,342.83 ; -2485.12,342.83 U1.82@-2463.18,342.83
  TOP w20: C4.2@-2640.78,306.13 -2633.8,306.13 C4.2@-2625.53,314.41 ; -2542.96,339.01 -2552.98,328.99 -2610.94,328.99 C4.2@-2625.53,314.41 ; C4.2@-2640.78,314.41 C4.2@-2625.53,314.41 ; C4.2@-2640.78,314.41 -2685.31,314.41 R1.2@-2719.94,314.41 C5.2@-2685.31,314.6 C4.2@-2640.78,314.41